# Allegro board FEE5_10_30.brd
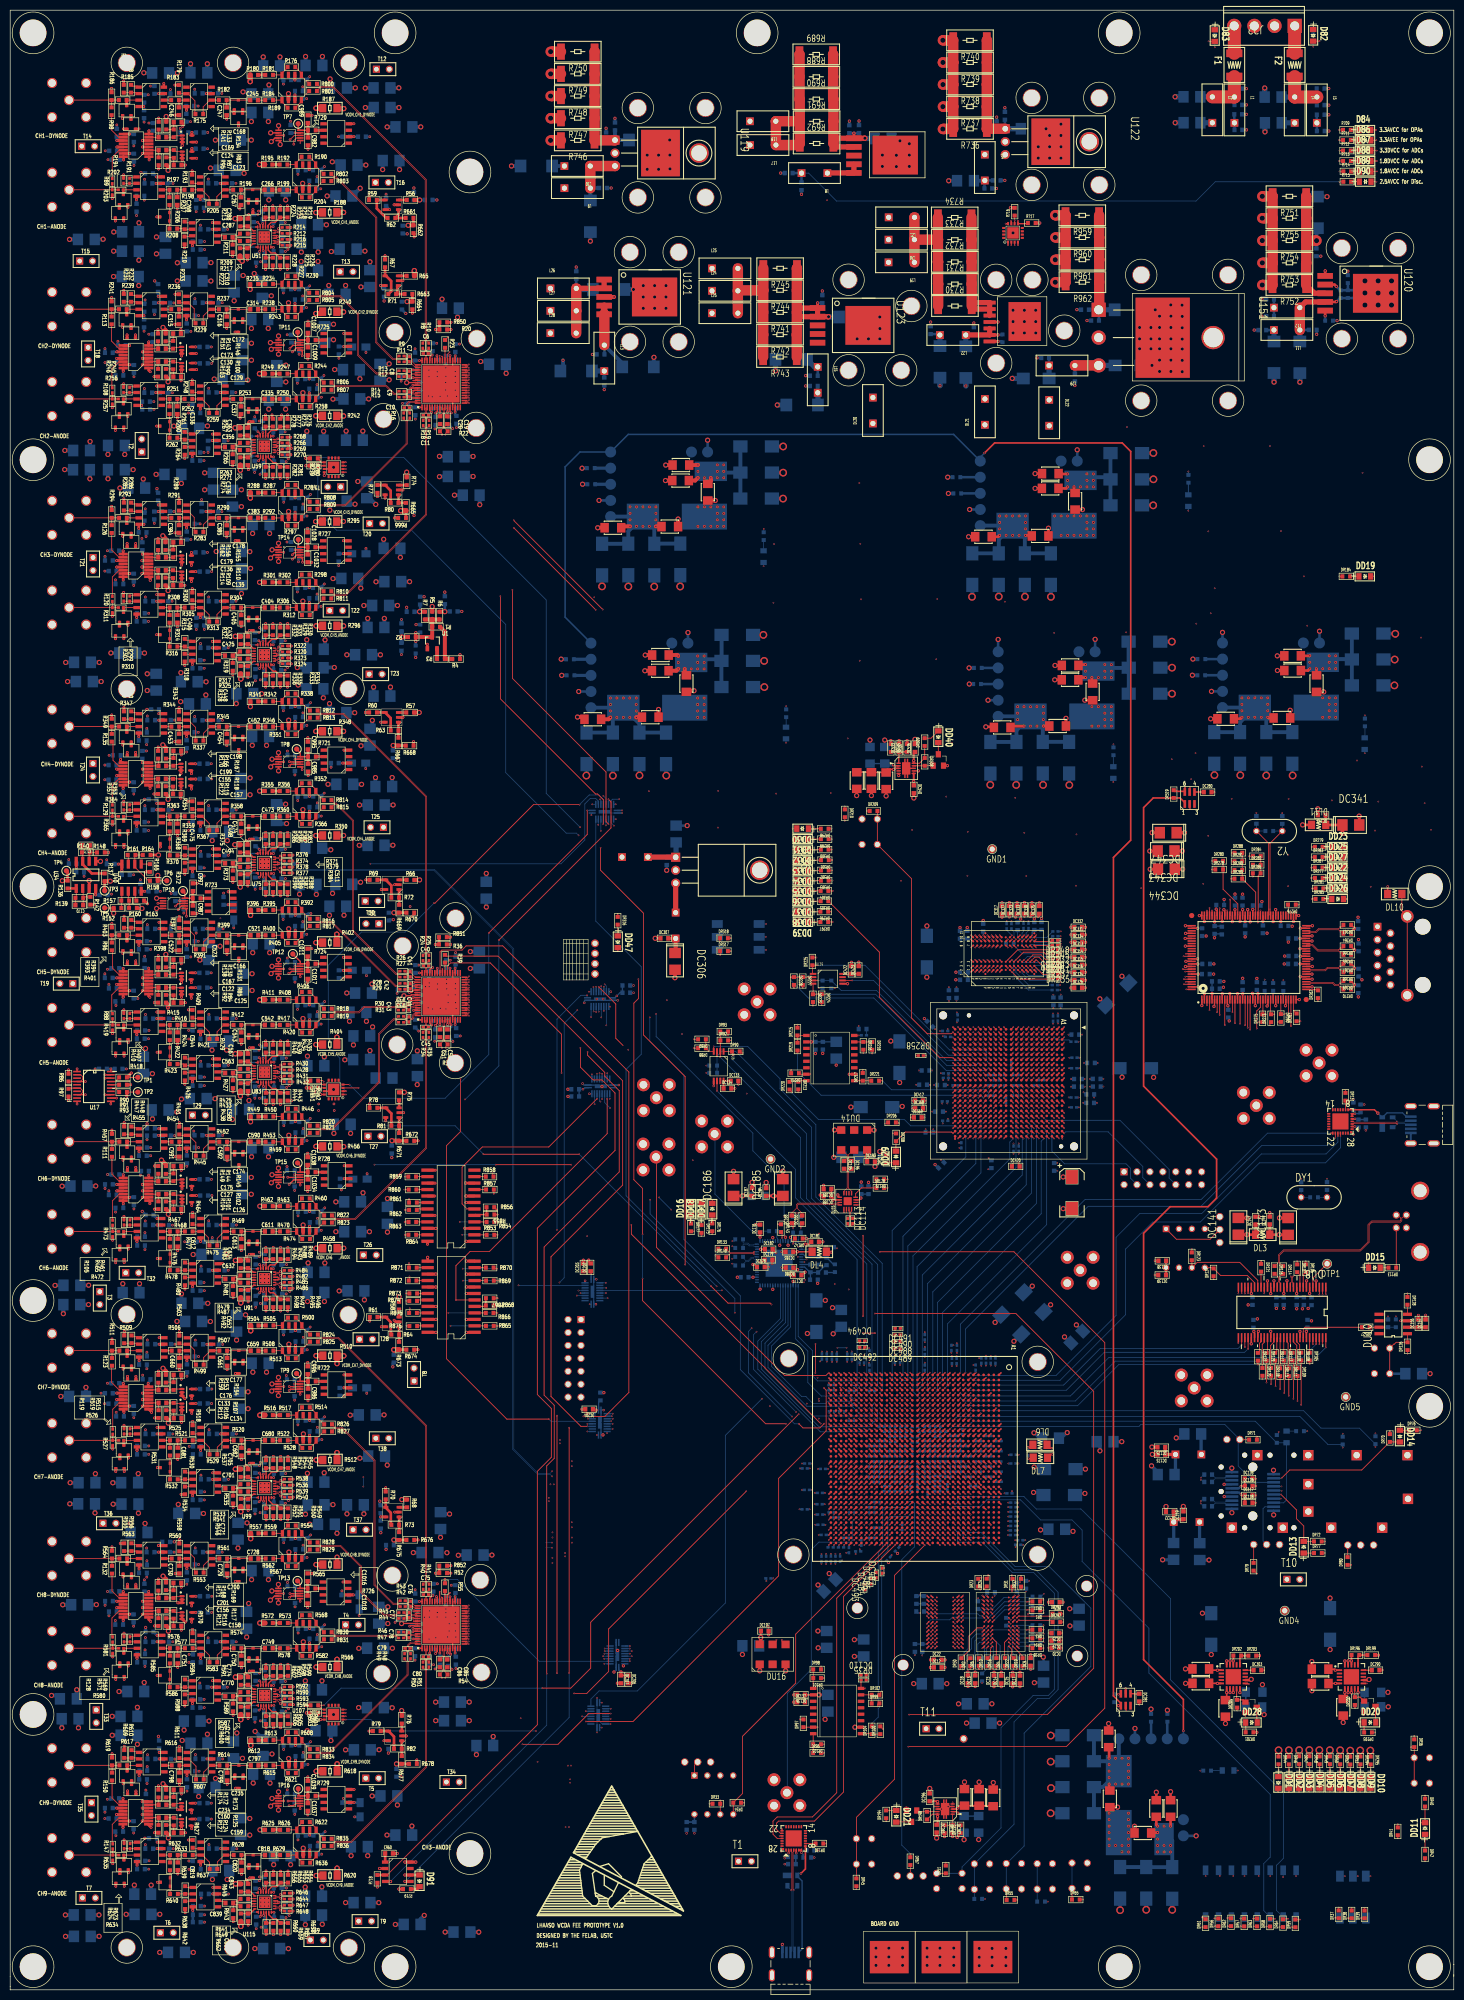
[diagram p0: board, top side]
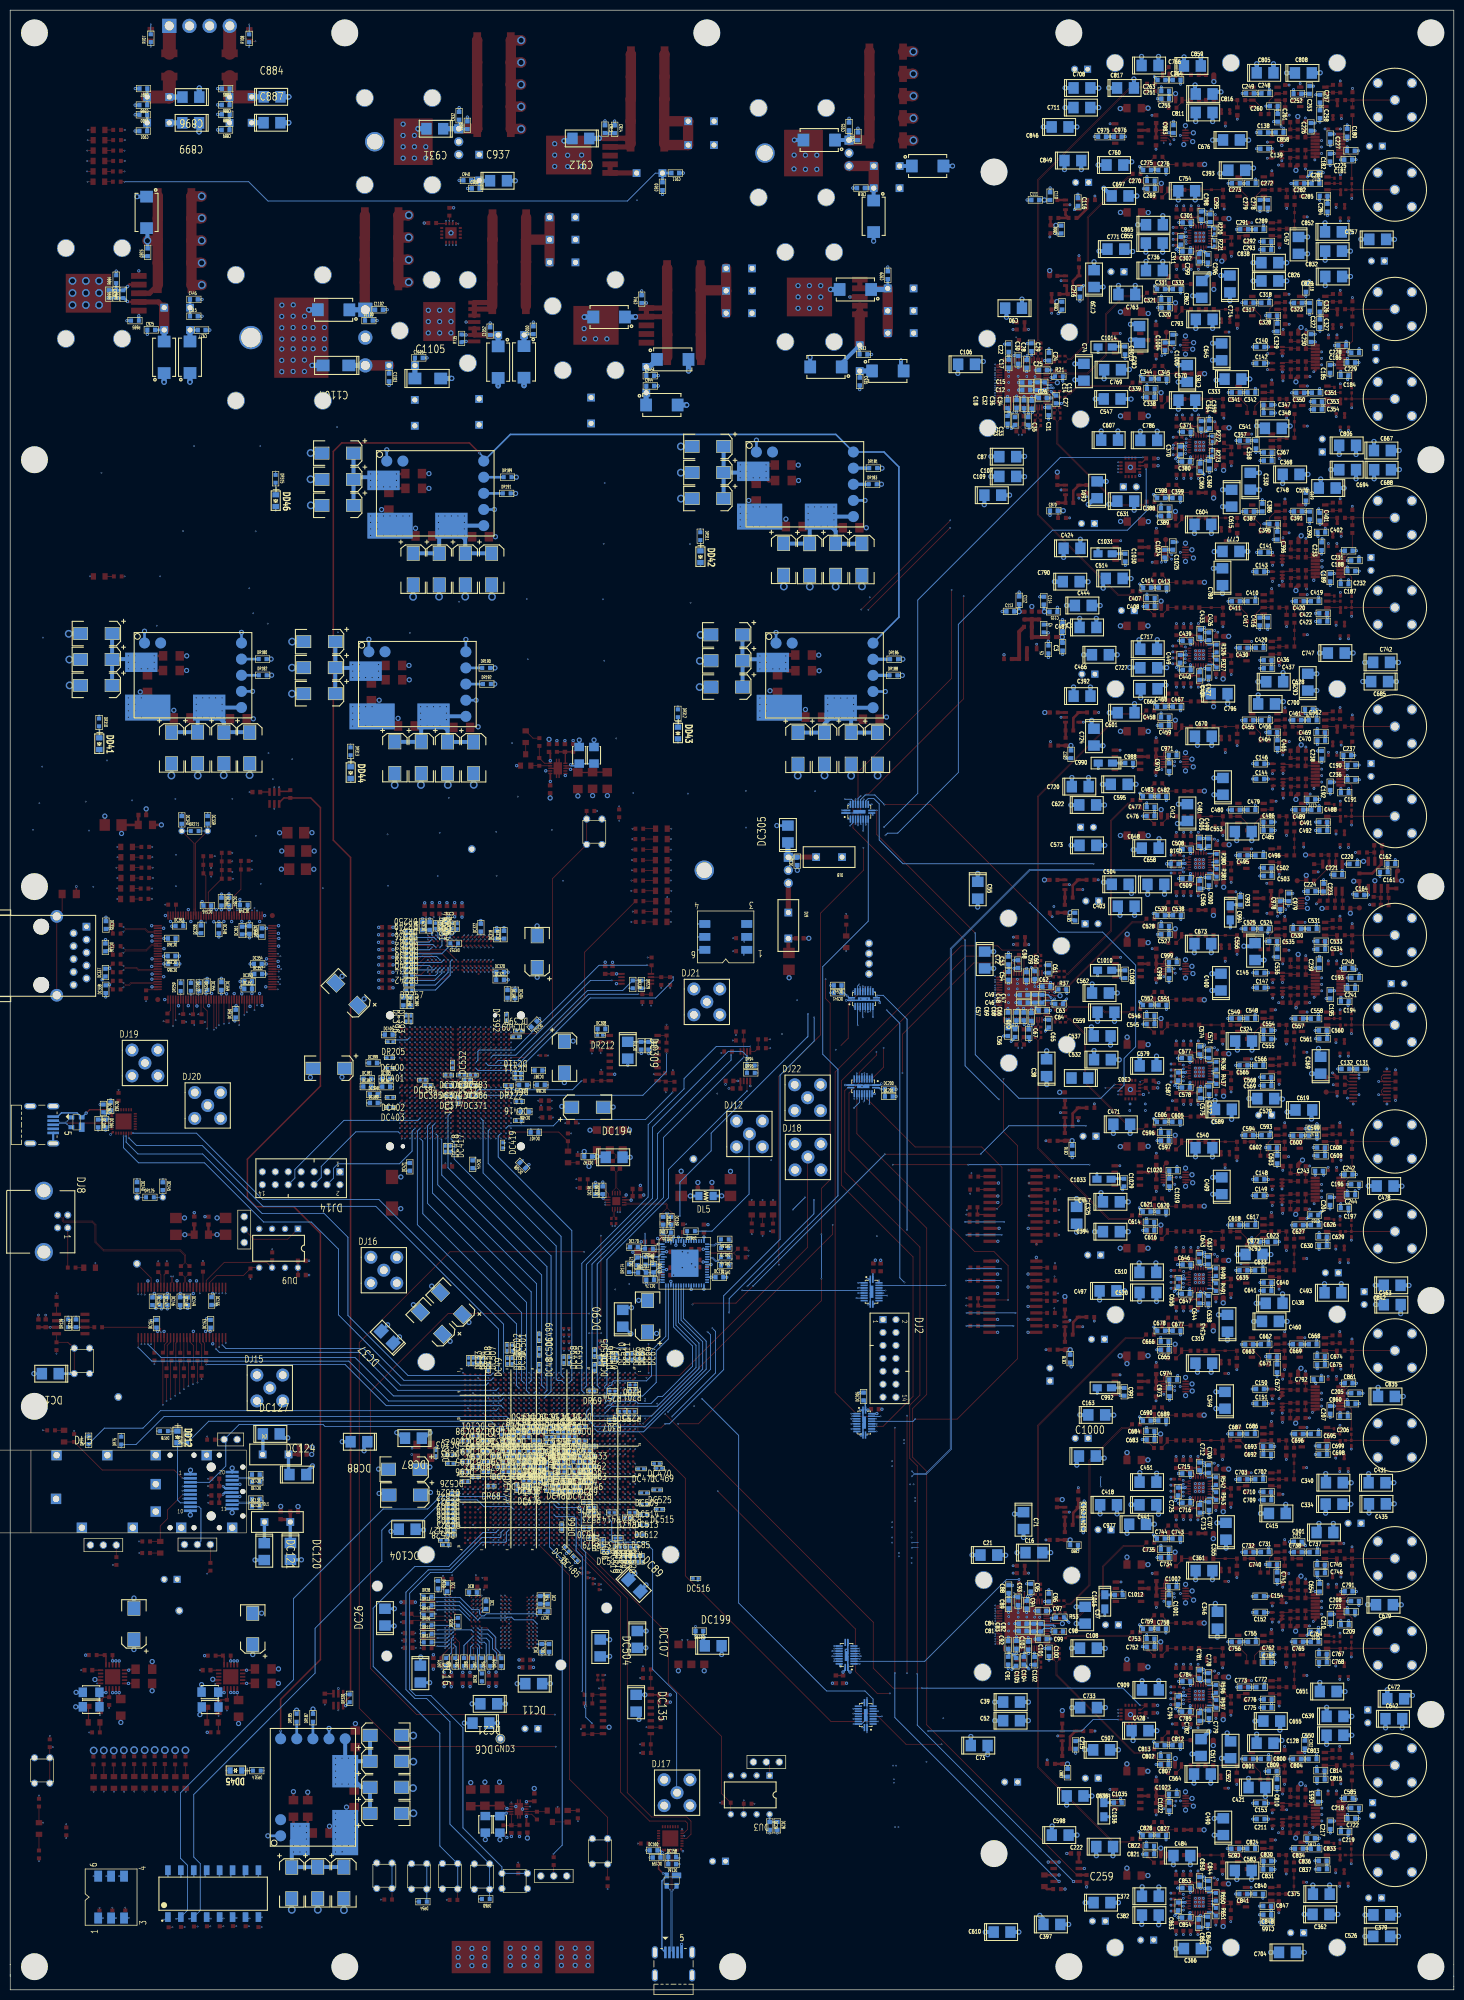
[diagram p1: board, bottom side, seen from below]

Outline 283.59 x 388.73 mm; copper layers: TOP, G1, P1, S1, G2, S2, S3, G3, S4, P2, S5, G4, P3, BOTTOM. Coordinates in mm from the lower left corner of the outline.
Outline path: 0,2.68 0,388.73 283.59,388.73 283.59,4.97 283.59,4.97 ; 0,2.68 0,0.7 0,0.7 0,0 0,0 283.56,0 283.58,0.02 283.58,3 ; 0,2.68 0,2.68 ; 283.58,2.68 283.58,2.68 283.58,5.01

## Design rules (mm)
net group 88E11_XTAL: nets XTAL1_25MHZ_ENET XTAL2_25MHZ_ENET
net group A7_CLK: nets A7_CLK_125M_N A7_CLK_125M_P
net group A7_CLK_200: nets A7_CLK_200M_N A7_CLK_200M_P
net group A7_DDR3_CK1: nets A7_DDR3_CK_N1 A7_DDR3_CK_P1
net group A7_DDR3_DQS0: nets A7_DDR3_DQS_N0 A7_DDR3_DQS_P0
net group A7_DDR3_DQS1: nets A7_DDR3_DQS_N1 A7_DDR3_DQS_P1
net group A7_SFP_CLK: nets A7_SFP_CLK_N A7_SFP_CLK_P
net group A7_SFP_CLK_C: nets A7_SFP_CLK_C_N1 A7_SFP_CLK_C_P1
net group A7_SFP_RD: nets A7_SFP_RX_N A7_SFP_RX_P
net group A7_SFP_TX: nets A7_SFP_TX_N A7_SFP_TX_P
net group AD9522_CLK_TEST: nets AD9522_CLK_TEST_N AD9522_CLK_TEST_P
net group AD9522_CLKIN: nets AD9522_CLKIN_N AD9522_CLKIN_P
net group AD9522_OUT3: nets OUT3+ OUT3-
net group AD9522_OUT4: nets OUT4+ OUT4-
net group AD9522_OUT5: nets OUT5+ OUT5-
net group AD9522_REFIN: nets REFIN+ REFIN-
net group ADC1_1: nets ADC1_1_N ADC1_1_P
net group ADC1_2: nets ADC1_2_N ADC1_2_P
net group ADC1_3: nets ADC1_3_N ADC1_3_P
net group ADC1_4: nets ADC1_4_N ADC1_4_P
net group ADC1_5: nets ADC1_5_N ADC1_5_P
net group ADC1_6: nets ADC1_6_N ADC1_6_P
net group ADC2_1: nets ADC2_1_N ADC2_1_P
net group ADC2_2: nets ADC2_2_N ADC2_2_P
net group ADC2_3: nets ADC2_3_N ADC2_3_P
net group ADC2_4: nets ADC2_4_N ADC2_4_P
net group ADC2_5: nets ADC2_5_N ADC2_5_P
net group ADC2_6: nets ADC2_6_N ADC2_6_P
net group ADC3_1: nets ADC3_1_N ADC3_1_P
net group ADC3_2: nets ADC3_2_N ADC3_2_P
net group ADC3_3: nets ADC3_3_N ADC3_3_P
net group ADC3_4: nets ADC3_4_N ADC3_4_P
net group ADC3_5: nets ADC3_5_N ADC3_5_P
net group ADC3_6: nets ADC3_6_N ADC3_6_P
net group ADC_DCO1: nets ADC_N_DCO1 ADC_P_DCO1
net group ADC_DCO2: nets ADC_N_DCO2 ADC_P_DCO2
net group ADC_DCO3: nets ADC_N_DCO3 ADC_P_DCO3
net group ADC_FCO1: nets ADC_N_FCO1 ADC_P_FCO1
net group ADC_FCO2: nets ADC_N_FCO2 ADC_P_FCO2
net group ADC_FCO3: nets ADC_N_FCO3 ADC_P_FCO3
net group ADCIN_ANODE_CH1: nets ADCIN_ANODE_N_CH1 ADCIN_ANODE_P_CH1
net group ADCIN_ANODE_CH2: nets ADCIN_ANODE_N_CH2 ADCIN_ANODE_P_CH2
net group ADCIN_ANODE_CH3: nets ADCIN_ANODE_N_CH3 ADCIN_ANODE_P_CH3
net group ADCIN_ANODE_CH4: nets ADCIN_ANODE_N_CH4 ADCIN_ANODE_P_CH4
net group ADCIN_ANODE_CH5: nets ADCIN_ANODE_N_CH5 ADCIN_ANODE_P_CH5
net group ADCIN_ANODE_CH6: nets ADCIN_ANODE_N_CH6 ADCIN_ANODE_P_CH6
net group ADCIN_ANODE_CH7: nets ADCIN_ANODE_N_CH7 ADCIN_ANODE_P_CH7
net group ADCIN_ANODE_CH8: nets ADCIN_ANODE_N_CH8 ADCIN_ANODE_P_CH8
net group ADCIN_ANODE_CH9: nets ADCIN_ANODE_N_CH9 ADCIN_ANODE_P_CH9
net group ADCIN_DYNODE_CH1: nets ADCIN_DYNODE_N_CH1 ADCIN_DYNODE_P_CH1
net group ADCIN_DYNODE_CH2: nets ADCIN_DYNODE_N_CH2 ADCIN_DYNODE_P_CH2
net group ADCIN_DYNODE_CH3: nets ADCIN_DYNODE_N_CH3 ADCIN_DYNODE_P_CH3
net group ADCIN_DYNODE_CH4: nets ADCIN_DYNODE_N_CH4 ADCIN_DYNODE_P_CH4
net group ADCIN_DYNODE_CH5: nets ADCIN_DYNODE_N_CH5 ADCIN_DYNODE_P_CH5
net group ADCIN_DYNODE_CH6: nets ADCIN_DYNODE_N_CH6 ADCIN_DYNODE_P_CH6
net group ADCIN_DYNODE_CH7: nets ADCIN_DYNODE_N_CH7 ADCIN_DYNODE_P_CH7
net group ADCIN_DYNODE_CH8: nets ADCIN_DYNODE_N_CH8 ADCIN_DYNODE_P_CH8
net group ADCIN_DYNODE_CH9: nets ADCIN_DYNODE_N_CH9 ADCIN_DYNODE_P_CH9
net group ADCOUT_ANODE_C5: nets ADCOUT_ANODE_N_CH5 ADCOUT_ANODE_P_CH5
net group ADCOUT_ANODE_C7: nets ADCOUT_ANODE_N_CH7 ADCOUT_ANODE_P_CH7
net group ADCOUT_ANODE_CH1: nets ADCOUT_ANODE_N_CH1 ADCOUT_ANODE_P_CH1
net group ADCOUT_ANODE_CH2: nets ADCOUT_ANODE_N_CH2 ADCOUT_ANODE_P_CH2
net group ADCOUT_ANODE_CH3: nets ADCOUT_ANODE_N_CH3 ADCOUT_ANODE_P_CH3
net group ADCOUT_ANODE_CH4: nets ADCOUT_ANODE_N_CH4 ADCOUT_ANODE_P_CH4
net group ADCOUT_ANODE_CH6: nets ADCOUT_ANODE_N_CH6 ADCOUT_ANODE_P_CH6
net group ADCOUT_ANODE_CH8: nets ADCOUT_ANODE_N_CH8 ADCOUT_ANODE_P_CH8
net group ADCOUT_ANODE_CH9: nets ADCOUT_ANODE_N_CH9 ADCOUT_ANODE_P_CH9
net group ADCOUT_DYNODE_CH1: nets ADCOUT_DYNODE_N_CH1 ADCOUT_DYNODE_P_CH1
net group ADCOUT_DYNODE_CH2: nets ADCOUT_DYNODE_N_CH2 ADCOUT_DYNODE_P_CH2
net group ADCOUT_DYNODE_CH3: nets ADCOUT_DYNODE_N_CH3 ADCOUT_DYNODE_P_CH3
net group ADCOUT_DYNODE_CH4: nets ADCOUT_DYNODE_N_CH4 ADCOUT_DYNODE_P_CH4
net group ADCOUT_DYNODE_CH5: nets ADCOUT_DYNODE_N_CH5 ADCOUT_DYNODE_P_CH5
net group ADCOUT_DYNODE_CH6: nets ADCOUT_DYNODE_N_CH6 ADCOUT_DYNODE_P_CH6
net group ADCOUT_DYNODE_CH7: nets ADCOUT_DYNODE_N_CH7 ADCOUT_DYNODE_P_CH7
net group ADCOUT_DYNODE_CH8: nets ADCOUT_DYNODE_N_CH8 ADCOUT_DYNODE_P_CH8
net group ADCOUT_DYNODE_CH9: nets ADCOUT_DYNODE_N_CH9 ADCOUT_DYNODE_P_CH9
net group CLK_125_CAP: nets CLK125_N CLK125_P
net group CLK_125M: nets CLK_125M_N CLK_125M_P
net group DIFFPAIR0: nets N2432583 N2432589
net group DIFFPAIR1: nets N17232608 N17232611
net group DIFFPAIR2: nets N17226110 N17226113
net group DIFFPAIR3: nets N2433231 N2433237
net group LVDS_ADC1: nets /LVDS_ADC1_CLK LVDS_ADC1_CLK
net group PHY_MDIP0: nets PHY_MDIP0_N PHY_MDIP0_P
net group PHY_MDIP1: nets PHY_MDIP1_N PHY_MDIP1_P
net group PHY_MDIP2: nets PHY_MDIP2_N PHY_MDIP2_P
net group PHY_MDIP3: nets PHY_MDIP3_N PHY_MDIP3_P
net group S6_CLK: nets S6_CLK_125M_N S6_CLK_125M_P
net group SFP_RD: nets SFP_RD_N SFP_RD_P
net group SFP_TD: nets SFP_TD_N SFP_TD_P
net group TDCIN_HIGH_CH1: nets TDCIN_HIGH_N_CH1 TDCIN_HIGH_P_CH1
net group TDCIN_HIGH_CH2: nets TDCIN_HIGH_N_CH2 TDCIN_HIGH_P_CH2
net group TDCIN_HIGH_CH3: nets TDCIN_HIGH_N_CH3 TDCIN_HIGH_P_CH3
net group TDCIN_HIGH_CH4: nets TDCIN_HIGH_N_CH4 TDCIN_HIGH_P_CH4
net group TDCIN_HIGH_CH5: nets TDCIN_HIGH_N_CH5 TDCIN_HIGH_P_CH5
net group TDCIN_HIGH_CH6: nets TDCIN_HIGH_N_CH6 TDCIN_HIGH_P_CH6
net group TDCIN_HIGH_CH7: nets TDCIN_HIGH_N_CH7 TDCIN_HIGH_P_CH7
net group TDCIN_HIGH_CH8: nets TDCIN_HIGH_N_CH8 TDCIN_HIGH_P_CH8
net group TDCIN_HIGH_CH9: nets TDCIN_HIGH_N_CH9 TDCIN_HIGH_P_CH9
net group TDCIN_LOW_CH1: nets TDCIN_LOW_N_CH1 TDCIN_LOW_P_CH1
net group TDCIN_LOW_CH2: nets TDCIN_LOW_N_CH2 TDCIN_LOW_P_CH2
net group TDCIN_LOW_CH3: nets TDCIN_LOW_N_CH3 TDCIN_LOW_P_CH3
net group TDCIN_LOW_CH4: nets TDCIN_LOW_N_CH4 TDCIN_LOW_P_CH4
net group TDCIN_LOW_CH5: nets TDCIN_LOW_N_CH5 TDCIN_LOW_P_CH5
net group TDCIN_LOW_CH6: nets TDCIN_LOW_N_CH6 TDCIN_LOW_P_CH6
net group TDCIN_LOW_CH7: nets TDCIN_LOW_N_CH7 TDCIN_LOW_P_CH7
net group TDCIN_LOW_CH8: nets TDCIN_LOW_N_CH8 TDCIN_LOW_P_CH8
net group TDCIN_LOW_CH9: nets TDCIN_LOW_N_CH9 TDCIN_LOW_P_CH9
net group USB_D: nets DMINUS DPLUS
net group USB_DATA: nets N01260 N03133
net group USB_UART2_DATA: nets USB_D_N_A7_USB_UART2 USB_D_P_A7_USB_UART2
net group USB_UART_DATA: nets USB_D_N_A7_USB_UART USB_D_P_A7_USB_UART
net group USB_XTAL: nets XTALIN XTALOUT
net group A7_DDR3_BYTE0_DM0: nets A7_DDR3_DM0 A7_DDR3_DQ0 A7_DDR3_DQ1 A7_DDR3_DQ2 A7_DDR3_DQ3 A7_DDR3_DQ4 A7_DDR3_DQ5 A7_DDR3_DQ6 A7_DDR3_DQ7
net group A7_DDR3_BYTE1_DM1: nets A7_DDR3_DM1 A7_DDR3_DQ8 A7_DDR3_DQ9 A7_DDR3_DQ10 A7_DDR3_DQ11 A7_DDR3_DQ12 A7_DDR3_DQ13 A7_DDR3_DQ14 A7_DDR3_DQ15
net group A7_DDR3_CK0: nets A7_DDR3_CK_N0
net group A7_S6_DATA: nets A7_S6_CLK A7_S6_DATA0 A7_S6_DATA1 A7_S6_DATA2 A7_S6_DATA3 A7_S6_DATA4 A7_S6_DATA5 A7_S6_DATA6 A7_S6_DATA7 A7_S6_DATA8 A7_S6_DATA9 A7_S6_DATA10 A7_S6_DATA11 A7_S6_DATA12 A7_S6_DATA13 A7_S6_DATA14 A7_S6_DATA15 A7_S6_DATA16 A7_S6_DATA17 A7_S6_DATA18 A7_S6_DATA19 A7_S6_DATA20 A7_S6_DATA21 A7_S6_DATA22 A7_S6_DATA23 A7_S6_DATA24 A7_S6_DATA25 A7_S6_DATA26 A7_S6_DATA27 A7_S6_DATA28 A7_S6_DATA29 A7_S6_DATA30 A7_S6_DATA31 N16794839 S6_A7_CLK
net group GMII_MG: nets GMII_MDC GMII_MDIO_I GMII_MDIO_O GMII_MDIO_T GMII_RX_CLK GMII_RX_COL GMII_RX_CRS GMII_RX_DV GMII_RX_ER GMII_RXD0 GMII_RXD1 GMII_RXD2 GMII_RXD3 GMII_RXD4 GMII_RXD5 GMII_RXD6 GMII_RXD7 GMII_TX_CLK GMII_TX_EN GMII_TX_ER GMII_TXD0 GMII_TXD1 GMII_TXD2 GMII_TXD3 GMII_TXD4 GMII_TXD5 GMII_TXD6 GMII_TXD7
net group S6_DDR3_BYTE0_LDM: nets S6_DDR3_DQ0 S6_DDR3_DQ1 S6_DDR3_DQ2 S6_DDR3_DQ3 S6_DDR3_DQ4 S6_DDR3_DQ5 S6_DDR3_DQ6 S6_DDR3_DQ7 S6_DDR3_LDM
net group S6_DDR3_BYTE1_UDM: nets S6_DDR3_DQ8 S6_DDR3_DQ9 S6_DDR3_DQ10 S6_DDR3_DQ11 S6_DDR3_DQ12 S6_DDR3_DQ13 S6_DDR3_DQ14 S6_DDR3_DQ15 S6_DDR3_UDM
net group S6_DDR3_CK_DQS: nets S6_DDR3_DQS_P
net group S6_DDR3_CLK: nets S6_DDR3_CLK_N
net group S6_DDR3_DQS: nets S6_DDR3_UDQS_P
net group S6_DDR3_LDQS: nets S6_DDR3_DQS_N
net group S6_DDR3_UDQS: nets S6_DDR3_UDQS_N

## Placement (name value [footprint] x y rotation side)
C2  0.01uF  [SC0603]  76.87 267.54 270 bottom
C3  0.01uF  [SC0603]  76.86 263.73 90 bottom
C4  1uF  [SR0603]  80.56 267.31 270 bottom
C5  0.1uF  [SR0603]  79.65 263.2 90 bottom
C6  1p  [SC0402]  81.63 321.31 0 top
C7  1p  [SC0402]  78.44 320.21 270 top
C8  1p  [SC0402]  78.42 317.34 90 top
C9  1p  [SC0402]  78.43 313.29 270 top
C10  1p  [SC0402]  77.92 310.67 180 top
C11  1p  [SC0402]  81.69 309.23 0 top
C12  0.1uF  [SC0603]  83.99 314.14 180 bottom
C13  4.7uF  [SC0603]  80.37 314.89 270 bottom
C14  0.1uF  [SC0603]  81.79 314.9 270 bottom
C15  0.1uF  [SC0603]  84 315.62 180 bottom
C16  10uF  [STC3528]  82.49 85.85 180 bottom
C17  0.1uF  [SC0603]  87.43 319.32 270 bottom
C18  0.01uF  [SC0603]  87.67 311.34 270 bottom
C19  0.1uF  [SC0603]  85.87 308.22 270 top
C20  0.1uF  [SC0603]  84.45 308.22 270 top
C21  10uF  [STC3528]  91.34 85.37 180 bottom
C22  0.1uF  [SC0603]  87.44 322.4 90 bottom
C23  0.01uF  [SC0603]  87.66 308.29 90 bottom
C24  0.01uF  [SC0603]  79.52 320.7 270 bottom
C25  0.01uF  [SC0603]  80.7 318.06 180 bottom
C26  0.01uF  [SC0603]  80.73 312.58 180 bottom
C27  0.01uF  [SC0603]  78.13 312.29 90 bottom
C28  0.01uF  [SC0603]  83.91 319.27 90 bottom
C29  0.01uF  [SC0603]  82.97 322.55 270 bottom
C30  0.01uF  [SC0603]  85.58 320.06 90 bottom
C31  0.01uF  [SC0603]  79.59 309.98 90 bottom
C32  0.01uF  [SC0603]  85.89 311.41 270 bottom
C33  0.01uF  [SC0603]  86.21 308.05 90 bottom
C34  0.01uF  [SC0603]  82.92 311.27 270 bottom
C35  0.01uF  [SC0603]  83.59 308.05 90 bottom
C36  0.01uF  [SC0603]  84.45 311.35 270 bottom
C37  10uF  [STC3528]  72.41 73.56 270 bottom
C38  10uF  [STC3528]  80 181.08 90 bottom
C39  10uF  [STC3528]  86.88 56.51 180 bottom
C40  1p  [SC0402]  81.7 201.06 0 top
C41  1p  [SC0402]  78.6 199.43 270 top
C42  1p  [SC0402]  78.61 197.06 90 top
C43  1p  [SC0402]  78.31 192.92 270 top
C44  1p  [SC0402]  78.34 190.55 90 top
C45  1p  [SC0402]  81.65 189.06 0 top
C46  0.1uF  [SC0603]  84.48 193.86 180 bottom
C47  4.7uF  [SC0603]  80.87 194.62 270 bottom
C48  0.1uF  [SC0603]  82.29 194.61 270 bottom
C49  0.1uF  [SC0603]  84.5 195.35 180 bottom
C50  0.1uF  [SC0603]  85.87 187.83 270 top
C51  0.1uF  [SC0603]  84.45 187.83 270 top
C52  10uF  [STC3528]  86.89 52.85 180 bottom
C53  0.1uF  [SC0603]  87.5 202.11 90 bottom
C54  0.01uF  [SC0603]  87.48 199.1 90 bottom
C55  10uF  [STC3528]  93.52 215.92 270 bottom
C56  0.1uF  [SC0603]  87.61 188.06 270 bottom
C57  0.01uF  [SC0603]  87.6 191.14 270 bottom
C58  0.01uF  [SC0603]  85.61 201.42 270 bottom
C59  0.01uF  [SC0603]  83.95 199.07 90 bottom
C60  0.01uF  [SC0603]  82.33 199.26 90 bottom
C61  0.01uF  [SC0603]  79.58 200.46 270 bottom
C62  0.01uF  [SC0603]  80.02 196.99 180 bottom
C63  0.01uF  [SC0603]  77.54 193.61 0 bottom
C64  0.01uF  [SC0603]  80.8 192.3 180 bottom
C65  0.01uF  [SC0603]  79.56 189.73 90 bottom
C66  0.01uF  [SC0603]  82.99 191.03 270 bottom
C67  0.01uF  [SC0603]  83.51 187.83 90 bottom
C68  0.01uF  [SC0603]  84.5 191.14 270 bottom
C69  0.01uF  [SC0603]  85.91 191.14 270 bottom
C70  0.01uF  [SC0603]  86.18 187.86 90 bottom
C71  10uF  [STC3528]  84.53 92.13 270 bottom
C72  10uF  [STC3528]  92.16 202.21 270 bottom
C73  10uF  [STC3528]  93.23 47.96 180 bottom
C74  10uF  [STC3528]  72.67 317.64 270 bottom
C75  1p  [SC0402]  81.69 77.6 0 top
C76  1p  [SC0402]  78.67 75.8 270 top
C77  1p  [SC0402]  78.4 73.56 90 top
C78  1p  [SC0402]  78.33 69.63 270 top
C79  1p  [SC0402]  78.07 67.05 180 top
C80  1p  [SC0402]  81.67 65.39 0 top
C81  0.1uF  [SC0603]  84.69 70.46 180 bottom
C82  4.7uF  [SC0603]  81.09 71.12 270 bottom
C83  0.1uF  [SC0603]  82.51 71.12 270 bottom
C84  0.1uF  [SC0603]  84.7 71.89 180 bottom
C85  0.1uF  [SC0603]  85.85 64.1 270 top
C86  0.1uF  [SC0603]  84.42 64.11 270 top
C87  10uF  [STC3528]  87.62 301.06 180 bottom
C88  0.1uF  [SC0603]  87.47 78.69 90 bottom
C89  0.01uF  [SC0603]  87.46 75.67 90 bottom
C90  10uF  [STC3528]  86.48 330.21 0 bottom
C91  0.1uF  [SC0603]  87.55 64.64 270 bottom
C92  0.01uF  [SC0603]  87.54 67.72 270 bottom
C93  0.01uF  [SC0603]  85.59 76.33 90 bottom
C94  0.01uF  [SC0603]  83.92 75.63 90 bottom
C95  0.01uF  [SC0603]  83.11 78.96 270 bottom
C96  0.01uF  [SC0603]  79.55 77.01 270 bottom
C97  0.01uF  [SC0603]  80.84 74.4 180 bottom
C98  0.01uF  [SC0603]  77.54 70.37 0 bottom
C99  0.01uF  [SC0603]  80.74 68.87 180 bottom
C100  0.01uF  [SC0603]  79.52 66.29 90 bottom
C101  0.01uF  [SC0603]  83.6 67.59 270 bottom
C102  0.01uF  [SC0603]  82.35 64.6 90 bottom
C103  0.01uF  [SC0603]  85.92 67.74 270 bottom
C104  0.01uF  [SC0603]  84.49 64.63 90 bottom
C105  0.01uF  [SC0603]  86 64.39 90 bottom
C106  10uF  [STC3528]  95.72 319.19 180 bottom
C107  10uF  [STC3528]  90.57 293.49 180 bottom
C108  10uF  [STC3528]  71.78 67.08 180 bottom
C109  10uF  [STC3528]  87.63 297.17 180 bottom
C110  0.01uF  [SC0603]  79.3 352.21 270 bottom
C111  1uF  [SC0603]  82.22 351.46 180 bottom
C112  0.01uF  [SC0603]  85.38 272.86 270 bottom
C113  1uF  [SC0603]  87.11 270.66 180 bottom
C114  0.01uF  [SC0603]  80.53 272.79 270 bottom
C115  1uF  [SC0603]  78.65 270.59 0 bottom
C116  0.01uF  [SC0603]  73.84 351.07 270 bottom
C117  0.01uF  [SC0603]  27.29 356.67 0 bottom
C118  0.01uF  [SC0603]  29.06 334.19 270 bottom
C119  0.01uF  [SC0603]  29.07 293.19 270 bottom
C120  0.01uF  [SC0603]  28.47 251.42 0 bottom
C121  0.01uF  [SC0603]  28 233.76 0 bottom
C122  150p  [SC0603]  29.87 196.81 0 top
C123  0.1uF  [SC0603]  32.9 358.32 0 top
C124  150p  [SC0603]  29.92 361.25 180 top
C125  0.1uF  [SC0603]  32.86 193.84 0 top
C126  0.1uF  [SC0603]  32.86 153.28 0 top
C127  150p  [SC0603]  29.89 156.25 0 top
C128  10uF  [STC3528]  37.08 48.42 180 bottom
C129  0.1uF  [SC0603]  32.8 316.77 0 top
C130  150p  [SC0603]  29.84 319.74 0 top
C131  0.1uF  [SC0603]  18.22 180.83 180 bottom
C132  0.01uF  [SC0603]  21.29 180.83 180 bottom
C133  150p  [SC0603]  29.91 115.26 0 top
C134  0.1uF  [SC0603]  32.89 112.25 0 top
C135  0.1uF  [SC0603]  32.78 275.8 0 top
C136  150p  [SC0603]  29.82 278.74 0 top
C137  0.01uF  [SC0603]  27.65 169.18 0 bottom
C138  0.01uF  [SC0603]  37.27 364.72 180 bottom
C139  0.01uF  [SC0603]  37.23 361.51 180 bottom
C140  0.01uF  [SC0603]  37.98 322.61 180 bottom
C141  0.01uF  [SC0603]  37.2 282.27 180 bottom
C142  0.01uF  [SC0603]  38.04 319.37 180 bottom
C143  0.01uF  [SC0603]  38.01 278.48 180 bottom
C144  0.01uF  [SC0603]  38.04 237.77 180 bottom
C145  0.01uF  [SC0603]  37.96 199.7 180 bottom
C146  0.01uF  [SC0603]  37.97 240.75 180 bottom
C147  0.01uF  [SC0603]  37.93 196.78 180 bottom
C148  0.01uF  [SC0603]  38 159.15 180 bottom
C149  0.01uF  [SC0603]  38.1 155.96 180 bottom
C150  0.01uF  [SC0603]  38.08 117.97 180 bottom
C151  0.01uF  [SC0603]  38.03 115.13 180 bottom
C152  0.01uF  [SC0603]  38.04 74.11 180 bottom
C153  0.01uF  [SC0603]  37.98 36.66 180 bottom
C154  0.01uF  [SC0603]  38.07 77.29 180 bottom
C155  150p  [SC0603]  29.81 237.79 0 top
C156  150p  [SC0603]  29.92 74.44 0 top
C157  0.1uF  [SC0603]  32.75 234.83 0 top
C158  0.1uF  [SC0603]  32.86 71.45 0 top
C159  0.1uF  [SC0603]  32.89 30.84 0 top
C160  150p  [SC0603]  29.93 33.8 0 top
C161  0.1uF  [SC0603]  13.75 219.47 0 bottom
C162  0.01uF  [SC0603]  12.27 221.11 180 bottom
C163  10uF  [STC3528]  70.15 112.89 180 bottom
C164  0.1uF  [SC0603]  18.36 214.98 180 bottom
C165  0.01uF  [SC0603]  36.64 13.29 180 bottom
C166  0.1uF  [SC0603]  32.84 202.28 0 top
C167  150p  [SC0603]  29.85 199.35 0 top
C168  0.1uF  [SC0603]  32.9 366.73 0 top
C169  150p  [SC0603]  29.92 363.79 180 top
C170  0.1uF  [SC0603]  13.57 213.01 180 top
C171  0.1uF  [SC0603]  14.87 224.74 180 top
C172  0.1uF  [SC0603]  32.78 325.22 0 top
C173  150p  [SC0603]  29.82 322.26 0 top
C174  0.1uF  [SC0603]  32.83 161.75 0 top
C175  150p  [SC0603]  29.85 158.78 0 top
C176  150p  [SC0603]  29.89 117.79 0 top
C177  0.1uF  [SC0603]  32.86 120.74 0 top
C178  0.1uF  [SC0603]  32.8 284.23 0 top
C179  150p  [SC0603]  29.84 281.29 0 top
C180  0.01uF  [SC0603]  20.95 364.66 270 bottom
C181  0.01uF  [SC0603]  20.75 359.37 0 bottom
C182  0.01uF  [SC0603]  24.31 359.77 90 bottom
C183  0.01uF  [SC0603]  28.06 29.76 0 bottom
C184  0.01uF  [SC0603]  21.46 317 0 bottom
C185  0.01uF  [SC0603]  24.31 318.28 90 bottom
C186  0.01uF  [SC0603]  19.38 321.46 0 bottom
C187  0.01uF  [SC0603]  21.45 276.04 0 bottom
C188  0.01uF  [SC0603]  19.39 280.66 0 bottom
C189  0.01uF  [SC0603]  24.28 277.31 90 bottom
C190  0.01uF  [SC0603]  20.12 240.5 0 bottom
C191  0.01uF  [SC0603]  21.41 235.08 0 bottom
C192  0.01uF  [SC0603]  24.28 236.36 90 bottom
C193  0.01uF  [SC0603]  19.36 198.7 0 bottom
C194  0.01uF  [SC0603]  21.41 194.09 0 bottom
C195  0.01uF  [SC0603]  24.28 195.42 90 bottom
C196  0.01uF  [SC0603]  19.39 158.17 0 bottom
C197  0.01uF  [SC0603]  21.46 153.54 0 bottom
C198  0.1uF  [SC0603]  32.83 243.29 0 top
C199  150p  [SC0603]  29.88 240.34 0 top
C200  0.1uF  [SC0603]  32.84 79.89 0 top
C201  150p  [SC0603]  29.9 76.95 0 top
C202  0.01uF  [SC0603]  29.26 48.17 270 bottom
C203  0.01uF  [SC0603]  27.39 152.14 0 bottom
C204  0.01uF  [SC0603]  24.31 154.88 90 bottom
C205  0.01uF  [SC0603]  19.39 117.15 0 bottom
C206  0.01uF  [SC0603]  21.58 112.6 0 bottom
C207  0.01uF  [SC0603]  24.28 113.88 90 bottom
C208  0.01uF  [SC0603]  19.4 76.32 0 bottom
C209  0.01uF  [SC0603]  21.41 71.7 0 bottom
C210  0.01uF  [SC0603]  24.25 72.95 90 bottom
C211  0.01uF  [SC0603]  37.95 33.53 180 bottom
C212  0.01uF  [SC0603]  27.37 70.29 0 bottom
C213  0.01uF  [SC0603]  30.64 87.96 180 bottom
C215  0.01uF  [SC0603]  74.3 48.09 90 bottom
C216  0.01uF  [SC0603]  73.46 333.22 90 bottom
C217  0.01uF  [SC0603]  24.25 32.34 90 bottom
C218  0.01uF  [SC0603]  19.38 35.7 0 bottom
C219  0.01uF  [SC0603]  21.41 31.07 0 bottom
C220  0.1uF  [SC0603]  19.71 221.06 180 bottom
C221  0.01uF  [SC0603]  22.71 218.95 0 bottom
C222  10uF  [STC3528]  68.59 28.11 180 bottom
C223  0.1uF  [SC0603]  25.57 216.42 270 bottom
C224  0.01uF  [SC0603]  27.95 215.71 180 bottom
C225  0.01uF  [SC0603]  20.22 361.11 0 bottom
C226  0.01uF  [SC0603]  28.07 365.81 270 bottom
C227  0.01uF  [SC0603]  24.29 363.63 90 bottom
C228  0.01uF  [SC0603]  21.93 322.9 0 bottom
C229  0.01uF  [SC0603]  20.17 319.54 0 bottom
C230  0.01uF  [SC0603]  28.05 324.35 270 bottom
C231  0.01uF  [SC0603]  20.64 282.58 0 bottom
C232  0.01uF  [SC0603]  20.13 278.58 0 bottom
C233  0.01uF  [SC0603]  25.97 283.47 270 bottom
C234  150p  [SC0603]  29.92 36.33 0 top
C235  0.1uF  [SC0603]  32.88 39.28 0 top
C236  0.01uF  [SC0603]  20.11 237.61 0 bottom
C237  0.01uF  [SC0603]  20.94 242.41 0 bottom
C238  0.01uF  [SC0603]  25.96 242.51 270 bottom
C239  0.01uF  [SC0603]  26.41 201.42 270 bottom